# Altium PCB GameBoard_V1I1_Phase1.PcbDoc (part 12 of 18)
Units mm, origin at the board's own origin, x right, y up, seen from the top; angles counter-clockwise.
Board outline 182 x 70.2 mm, 12 copper layers (L1, L2, L3, L4, L5 (PWR), L6 (PWR), L7 (PWR), L8 (PWR), L9, L10, L11, L12), stack 2.079 mm thick; 1542 components, 1068 nets, 5447 pads, 3805 vias.
Unrouted connection lines stored in the file: 2.
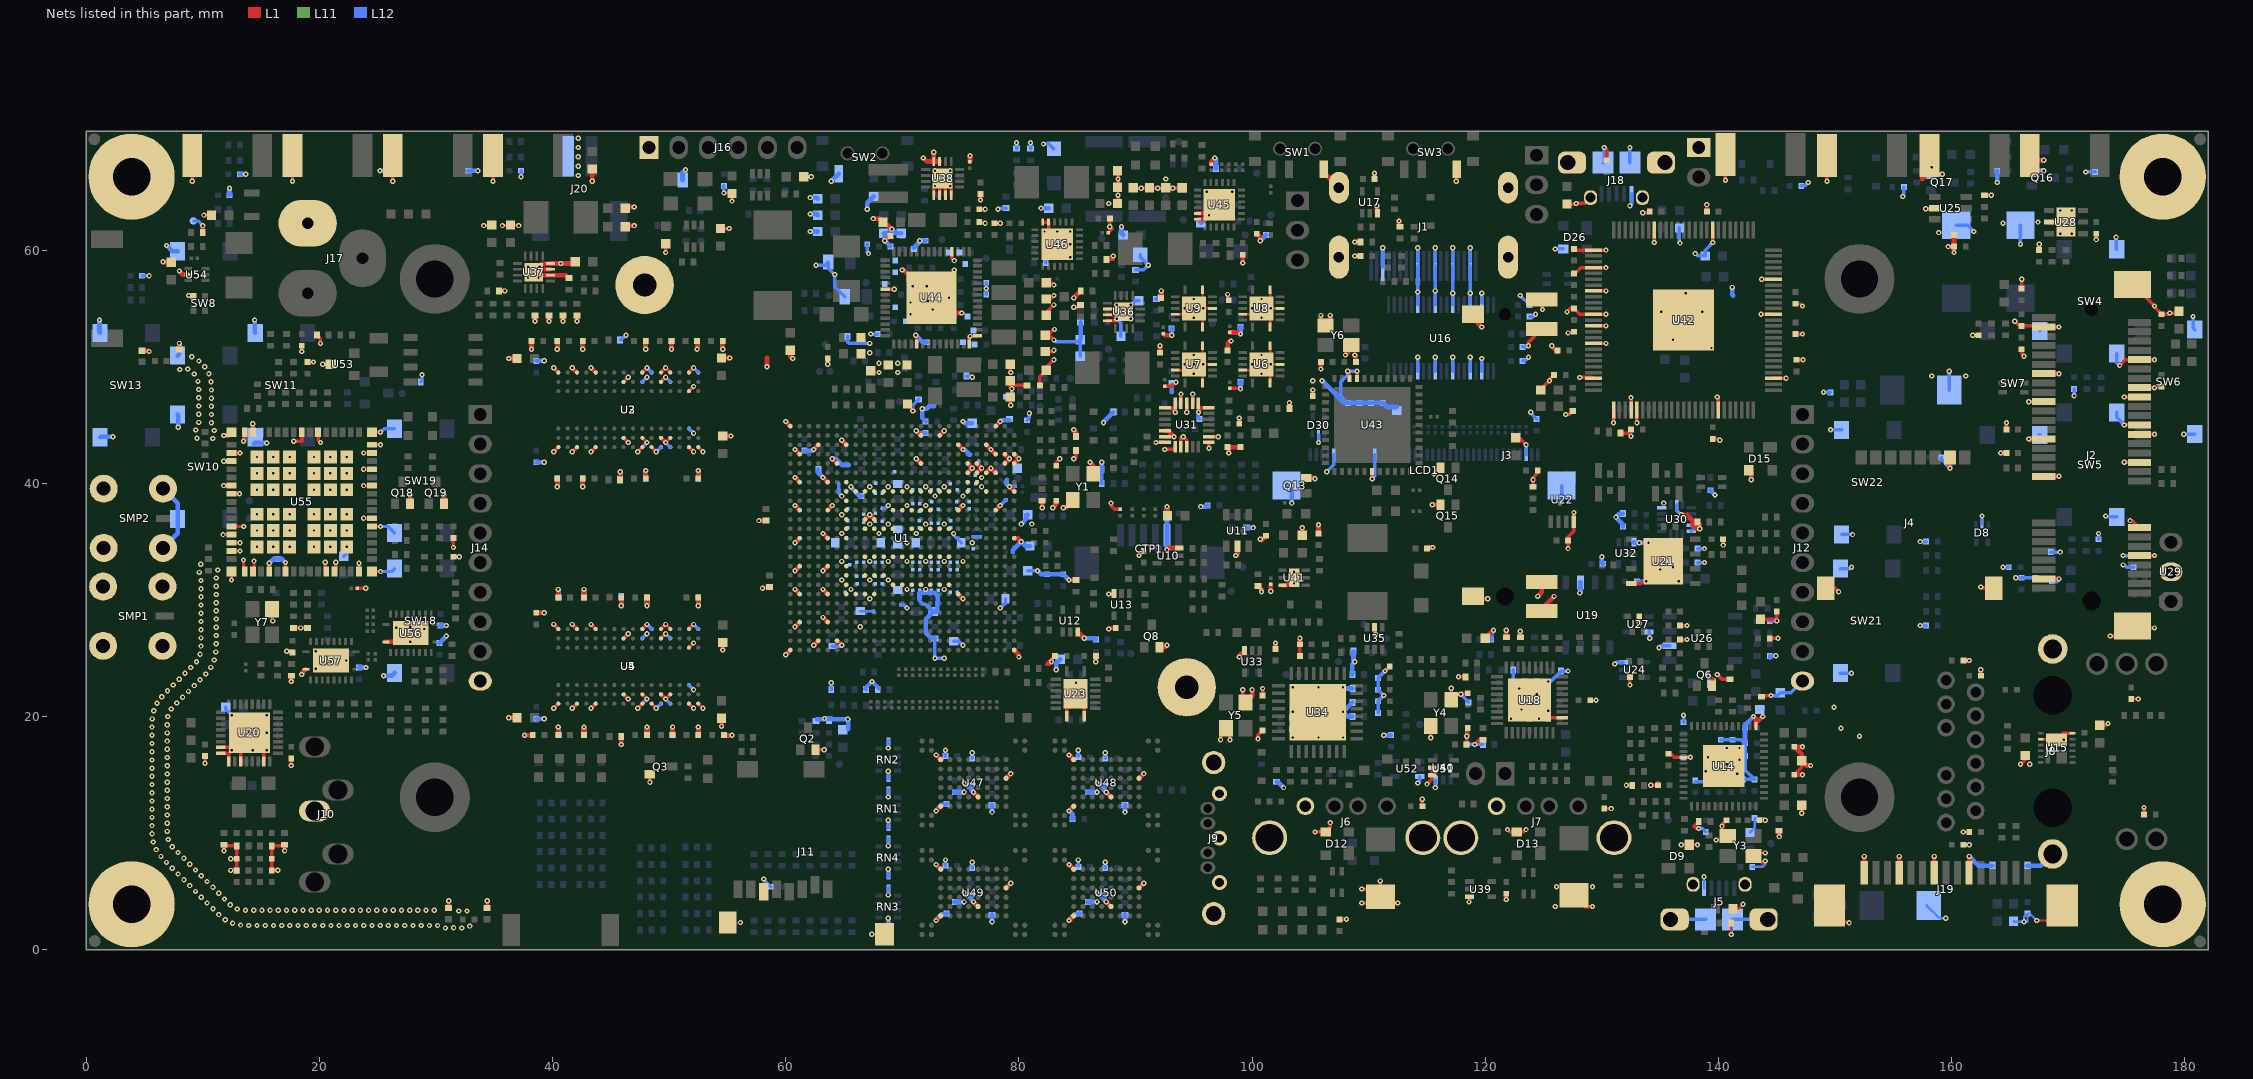
[diagram p22: the nets of this part, all layers, seen from the top]

## Via types
v1: diameter 0.45, hole 0.2, L1 to L12, 1937 vias
v2: diameter 0.45, hole 0.2, L1 to L12, tented both sides, 1004 vias
v3: diameter 0.27, hole 0.1, L1 to L2, 337 vias
v4: diameter 0.27, hole 0.1, L2 to L3, 335 vias
v5: diameter 0.27, hole 0.1, L10 to L11, 96 vias
v6: diameter 0.27, hole 0.1, L11 to L12, 94 vias
v7: diameter 0.27, hole 0.1, L3 to L5 (PWR), 2 vias

## Nets (pads, with @x,y where several pads share a name; then routed paths per layer and width w, separated by ;. In a path a pad name is that pad's centre, name@x,y a point inside that pad or via, vN(x,y) a via of type N, cw(c..) or ccw(c..) an arc to the next point about the centre after c; other vN are vias at no path point) (continued)
GND: C1.2 C2.2 C3.2 C4.2 C5.2 C6.2 C7.2 C8.2 C9.2 C11.2 C12.2 C13.2 C14.2 C15.2 C16.2 C17.2 C18.2 C19.2 C20.2 C21.2 C22.2 C23.2 C24.2 C25.2 C26.2 C27.2 C28.2 C29.2 C30.2 C31.2 C32.2 C33.2 C34.2 C35.2 C36.2 C37.2 C38.2 C39.2 C40.2 C41.2 C42.2 C43.2 C44.2 C45.2 C46.2 C47.2 C48.2 C49.2 C50.2 C51.2 C52.2 C53.2 C54.2 C55.2 C56.2 C57.2 C58.2 C59.2 C60.2 C61.2 C63.2 C64.2 C68.2 C69.2 C70.2 C71.2 C72.2 C73.2 C74.2 C75.2 C76.2 C77.2 C78.2 C79.2 C80.2 C81.2 C82.2 C83.2 C84.2 C85.2 C86.2 C87.2 C92.2 C93.2 C94.2 C95.2 C96.2 C97.2 C98.2 C99.2 C100.2 C101.2 C102.2 C103.2 C104.2 C105.2 C106.2 C107.2 C108.2 C109.2 C110.2 C111.2 C112.2 C113.2 C114.2 C115.2 C116.2 C117.2 C118.2 C119.2 C120.2 C121.2 C122.2 C123.2 C124.2 C125.2 C126.2 C127.2 C128.2 C129.2 C130.2 C131.2 C132.2 C133.2 C134.2 C135.2 C136.2 C137.2 C138.2 C139.2 C140.2 C141.2 C142.2 C143.2 C144.2 C145.2 C146.2 C147.2 C148.2 C149.2 C150.2 C151.2 C152.2 C153.2 C154.2 C155.2 C156.2 C157.2 C158.2 C159.2 C160.2 C161.2 C162.2 C163.2 C164.2 C165.2 C166.2 C167.2 C168.2 C169.2 C170.2 C171.2 C172.2 C173.2 C174.2 C175.2 C176.2 C177.2 C178.2 C179.2 C180.2 C181.2 C182.2 C183.2 C184.2 C185.2 C186.2 C187.2 C188.2 C189.2 C190.2 C191.2 C193.2 C194.2 C195.2 C196.2 C197.2 C198.2 C199.2 C200.2 C201.2 C202.2 C203.2 C204.2 C205.2 C206.2 C207.2 C208.2 C209.2 C210.2 C211.2 C212.2 C213.2 C214.2 C215.2 C216.2 C217.2 C218.2 C219.2 C220.2 C221.2 C222.2 C223.2 C224.2 C225.2 C226.2 C227.2 C228.2 C229.2 C230.2 C231.2 C232.2 C233.2 C234.2 C235.2 C236.2 C237.2 C238.2 C239.2 C240.2 C241.2 C242.2 C243.2 C244.2 C245.2 C246.2 C247.2 C248.2 C249.2 C250.2 C251.1 C252.2 C253.1 C254.2 C255.2 C256.2 C257.2 C258.2 C259.2 C260.1 C261.2 C262.1 C263.1 C264.1 C265.1 C266.2 C267.2 C268.2 C269.2 C270.2 C271.2 C274.2 C277.2 C278.2 C279.2 C280.2 C281.2 C283.2 C284.2 C285.2 C286.2 C287.1 C288.2 C289.2 C290.1 C297.2 C298.2 C299.2 C300.2 C301.2 C302.2 C303.1 C304.2 C305.1 C306.2 C307.2 C308.2 C309.2 C310.2 C311.2 C312.2 C313.2 C314.2 C315.2 C316.2 C317.2 C318.2 C319.2 C320.2 C321.2 C323.2 C324.2 C325.2 C326.2 C327.2 C328.2 C329.2 C330.1 C331.2 C332.1 C333.2 C334.2 C335.2 C336.2 C337.2 C338.2 C339.2 C340.2 C343.2 C344.2 C345.2 C346.2 C347.2 C350.2 C351.2 C352.2 C353.2 C354.2 C355.2 C356.1 C357.2 C358.1 C359.2 C360.2 C361.2 C362.2 C363.2 C364.2 C365.2 C366.2 C367.2 C368.2 C369.2 C370.2 C371.2 C372.2 C373.2 C374.2 C375.2 C376.2 C377.2 C378.2 C379.2 C380.2 C381.2 C382.2 C383.2 C384.2 C385.2 C386.2 C387.2 C388.2 C389.2 C390.2 C391.2 C392.2 C393.1 C394.1 C395.2 C396.2 C397.2 C398.2 C399.2 C400.2 C401.2 C402.2 C403.2 C404.2 C405.2 C406.2 C407.2 C408.2 C409.2 C410.2 C411.2 C412.2 C413.2 C414.2 C415.2 C416.2 C417.2 C418.2 C419.2 C420.2 C421.2 C422.2 C423.2 C424.2 C425.2 C427.2 C428.2 C429.2 C430.2 C431.2 C432.2 C433.2 C434.2 C435.2 C436.2 C437.2 C438.2 C439.2 C440.2 C441.2 C442.2 C443.2 C444.2 C445.2 C446.2 C447.2 C448.2 C449.2 C450.2 C451.2 C452.2 C453.2 C454.2 C455.2 C456.2 C457.2 C458.2 C459.2 C460.2 C461.2 C462.2 C463.2 C464.2 C465.2 C466.2 C467.2 C468.2 C469.2 C470.2 C471.2 C472.2 C473.2 C474.2 C475.2 C476.2 C477.2 C478.2 C479.2 C481.2 C482.2 C483.2 C484.2 C485.2 C486.2 C487.2 C488.2 C489.2 C490.2 C491.2 C493.2 C494.2 C495.2 C496.2 C497.2 C498.2 C499.2 C500.2 C501.2 C502.2 C503.1 C504.2 C505.2 C506.2 C507.2 C508.1 C509.2 C510.2 C511.2 C512.2 C513.1 C514.2 C515.2 C516.2 C517.2 C518.1 C519.1 C520.1 C521.1 C522.1 C523.2 C524.2 C525.1 C527.1 C528.1 C529.1 C530.2 C531.1 C532.2 CTP1.2 D8.2 D9.3 D10.2 D11.1 D12.3 D13.3 D15.3 D16.2 D17.2 D20.2 D21.2 D26.3 D30.2 D48.2 D52.2 J1.2 J1.5 J1.8 J1.11 J1.17 J1.MTG1 J1.MTG2 J1.MTG3 J1.MTG4 J2.4 J2.9 J2.15 J2.18 J2.21 J2.26 J2.27 J2.29 J2.34 J2.35 J2.37 J2.40 J2.43 J2.50 J2.53 J2.54 J3.1 J3.2 J3.3 J3.4 J3.5 J3.6 J4.C5 J4.G1 J4.G2 J5.5 J5.6 J5.7 J5.8 J5.9 J5.10 J5.11 J6.4 J6.5 J6.6 J7.4 J7.5 J7.6 J8.18 J8.19 J9.1 J9.4 J9.7 J9.8 J9.9 J10.5 J11.6 J11.11 J11.12 J12.10 J14.10 J16.1 J17.2 J18.5 J18.6 J18.7 J18.8 J18.9 J18.10 J18.11 J19.1 J19.4 J19.7 J19.10 J19.16 J19.17 J20.2 JP3.1 L20.2 L21.2 L22.2 L23.2 LCD1.3 LCD1.29 LCD1.36 LCD1.41 LCD1.42 MH1.1 MH2.1 MH3.1 MH4.1 MH5.1 MH6.1 Q2.2 Q3.2 Q6.2 Q8.2 Q13.2 Q14.2 Q15.2 Q16.2 Q17.2 Q18.2 Q19.2 R1.1 R2.1 R3.1 R4.1 R5.2 R6.1 R7.1 R11.1 R15.1 R16.1 R17.1 R19.1 R26.1 R28.1 R29.1 R30.1 R31.1 R33.1 R35.1 R36.1 R41.1 R73.1 R74.1 R75.1 R76.1 R79.2 R84.1 R85.1 R86.1 R95.1 R101.1 R103.1 R125.2 R138.1 R139.1 R140.1 R142.2 R145.1 R176.1 R185.2 R191.1 R192.1 R193.2 R194.1 R195.1 R201.2 R202.1 R203.1 R204.1 R205.1 R208.1 R215.2 R228.1 R245.1 R253.1 R262.2 R265.1 R267.2 R283.1 R290.1 R291.1 R292.1 R293.1 R297.1 R298.1 R300.1 R302.1 R303.1 R304.1 R308.1 R309.1 R311.1 R314.1 R315.1 R316.1 R324.1 R326.1 R328.1 R345.1 R351.1 R373.1 R438.1 R440.1 R458.1 R459.1 R470.1 R479.1 R483.1 R484.1 R485.1 R492.1 R496.1 R498.1 R499.1 R501.1 R503.1 R505.1 R506.1 R510.1 R511.1 R549.1 R550.1 R552.1 RN1.1 RN1.6 RN2.1 RN2.6 RN3.1 RN3.6 RN4.1 RN4.6 SMP1.2 SMP1.3 SMP1.4 SMP1.5 SMP2.2 SMP2.3 SMP2.4 SMP2.5 SW1.1 SW2.1 SW3.1 SW4.1 SW4.2 SW5.1 SW5.2 SW6.1 SW6.2 SW7.1 SW7.2 SW8.1 SW8.2 SW9.1 SW10.1 SW10.2 SW11.1 SW11.2 SW12.1 SW13.1 SW13.2 SW14.1 SW15.1 SW16.1 SW17.1 SW18.1 SW18.2 SW19.1 SW19.2 SW20.1 SW21.1 SW21.2 SW22.1 SW22.2 SW23.1 TP26.1 U1.A4 U1.A5 U1.A8 U1.A13 U1.A25 U1.AA7 U1.AA10 U1.AA13 U1.AA16 U1.AA19 U1.AA22 U1.AB3 U1.AB24 U1.AD4 U1.AD7 U1.AD10 U1.AD13 U1.AD16 U1.AD19 U1.AD22 U1.AE1 U1.AE25 U1.B4 U1.B5 U1.C1 U1.C4 U1.C6 U1.C10 U1.D3 U1.D6 U1.D8 U1.E5 U1.E6 U1.E7 U1.F5 U1.F6 U1.F7 U1.F8 U1.G3 U1.G10 U1.G19 U1.H8 U1.H12 U1.H15 U1.H18 U1.J2 U1.J8 U1.J12 U1.J15 U1.J18 U1.K8 U1.K10 U1.K12 U1.K15 U1.K18 U1.L2 U1.L5 U1.L8 U1.L10 U1.L12 U1.L15 U1.L18 U1.M8 U1.M10 U1.M12 U1.M15 U1.M18 U1.N8 U1.N10 U1.N15 U1.N18 U1.P8 U1.P10 U1.P12 U1.P15 U1.P18 U1.R8 U1.R12 U1.R15 U1.R17 U1.T8 U1.T11 U1.T12 U1.T15 U1.T17 U1.T19 U1.U8 U1.U11 U1.U12 U1.U15 U1.U17 U1.U19 U1.V8 U1.V19 U1.W3 U1.W7 U1.W8 U1.W9 U1.W10 U1.W11 U1.W12 U1.W13 U1.W15 U1.W16 U1.W17 U1.W18 U1.W19 U1.Y5 U1.Y24 U2.A9 U2.B1 U2.B3 U2.B9 U2.D1 U2.D8 U2.E1 U2.E2 U2.E8 U2.F9 U2.G1 U2.G8 U2.G9 U2.J2 U2.J8 U2.M1 U2.M9 U2.P1 U2.P9 U2.T1 U2.T9 U3.A9 U3.B1 U3.B3 U3.B9 U3.D1 U3.D8 U3.E1 U3.E2 U3.E8 U3.F9 U3.G1 U3.G8 U3.G9 U3.J2 U3.J8 U3.M1 U3.M9 U3.P1 U3.P9 U3.T1 U3.T9 U4.A9 U4.B1 U4.B3 U4.B9 U4.D1 U4.D8 U4.E1 U4.E2 U4.E8 U4.F9 U4.G1 U4.G8 U4.G9 U4.J2 U4.J8 U4.M1 U4.M9 U4.P1 U4.P9 U4.T1 U4.T9 U5.A9 U5.B1 U5.B3 U5.B9 U5.D1 U5.D8 U5.E1 U5.E2 U5.E8 U5.F9 U5.G1 U5.G8 U5.G9 U5.J2 U5.J8 U5.M1 U5.M9 U5.P1 U5.P9 U5.T1 U5.T9 U6.5 U6.8 U6.11 U6.14 U6.15 U7.5 U7.8 U7.11 U7.14 U7.15 U8.5 U8.8 U8.11 U8.14 U8.15 U9.5 U9.8 U9.11 U9.14 U9.15 U10.3 U11.2 U12.3 U13.3 U14.13 U14.29 U14.49 U15.2 U15.12 U15.13 U16.3 U16.5 U16.8 U16.11 U16.14 U16.25 U16.28 U16.31 U16.34 U16.36 U17.3 U18.11 U18.37 U19.6 U20.1 U20.3 U20.7 U20.31 U20.32 U20.33 U21.4 U21.9 U22.4 U23.8 U23.9 U23.17 U24.3 U25.2 U26.2 U27.3 U28.2 U28.7 U29.2 U30.5 U30.7 U30.12 U30.13 U31.1 U31.5 U31.6 U31.7 U31.8 U31.9 U31.10 U31.13 U31.14 U31.19 U31.20 U31.21 U31.22 U31.23 U31.24 U32.3 U33.3 U34.33 U35.2 U36.10 U36.11 U36.12 U36.17 U37.10 U37.11 U37.12 U37.17 U38.5 U38.6 U38.7 U38.8 U38.15 U38.16 U38.17 U39.3 U40.2 U40.3 U41.3 U41.7 U42.1 U42.4 U42.5 U42.19 U42.28 U42.39 U42.45 U42.58 U42.68 U42.76 U42.79 U42.83 U42.87 U42.89 U42.92 U42.98 U42.101 U43.6 U43.30 U43.31 U44.5 U44.14 U44.15 U44.32 U44.48 U44.57 U45.17 U45.18 U45.25 U46.17 U46.18 U46.25 U47.C5 U47.F7 U47.K3 U47.K8 U48.C5 U48.F7 U48.K3 U48.K8 U49.C5 U49.F7 U49.K3 U49.K8 U50.C5 U50.F7 U50.K3 U50.K8 U51.3 U52.3 U53.3 U54.2 U55.1 U55.7 U55.9 U55.15 U55.16 U55.17 U55.19 U55.20 U55.23 U55.24 U55.28 U55.29 U55.30 U55.31 U55.33 U55.34 U55.35 U55.37 U55.39 U55.44 U55.45 U55.48 U55.49 U55.54 U55.55 U55.59 U55.61 U55.63 U55.64 U55.G1 U55.G2 U55.G3 U55.G4 U55.G5 U55.G6 U55.G7 U55.G8 U55.G9 U55.G10 U55.G11 U55.G12 U55.G13 U55.G14 U55.G15 U55.G16 U55.G17 U55.G18 U55.G19 U55.G20 U55.G21 U55.G22 U55.G23 U55.G24 U55.G25 U55.G26 U55.G27 U55.G28 U55.G29 U55.G30 U55.G31 U55.G32 U55.G33 U55.G34 U55.G35 U55.G36 U56.11 U56.21 U57.11 U57.21 Y1.2 Y1.4 Y3.2 Y3.4 Y4.2 Y4.4 Y5.2 Y5.4 Y6.2 Y6.4 Y7.2 | length 919.7
  L1 w0.093: J11.11@55.025,2.325 v2(56.115,2.325) ; J11.6@58.115,4.975 v2(58.115,6.065) ; v2(67.385,1.325) J11.12@68.475,1.325
  L1 w0.2: U7.5@93.4,49.7 94.5,49.7 v2(95,50.2) ; U9.5@93.4,54.5 94.5,54.5 v2(95,55) ; U7.8@95.75,48.6 95.75,49.45 v2(95,50.2) ; U7.14@95.75,51.8 95.75,50.95 v2(95,50.2) ; U9.8@95.75,53.4 95.75,54.25 v2(95,55) ; U9.14@95.75,56.6 95.75,55.75 v2(95,55) ; U7.11@96.6,50.2 v2(95.8,50.2) v2(95,50.2) ; U9.11@96.6,55 v2(95.8,55) v2(95,55) ; U6.5@99.2,49.7 100.3,49.7 v2(100.8,50.2) ; U8.5@99.2,54.5 100.3,54.5 v2(100.8,55) ; U6.8@101.55,48.6 101.55,49.45 v2(100.8,50.2) ; U6.14@101.55,51.8 101.55,50.95 v2(100.8,50.2) ; U8.8@101.55,53.4 101.55,54.25 v2(100.8,55) ; U8.14@101.55,56.6 101.55,55.75 v2(100.8,55) ; U6.11@102.4,50.2 v2(101.6,50.2) v2(100.8,50.2) ; U8.11@102.4,55 v2(101.6,55) v2(100.8,55) ; C255.2@129,21.4 v1(129.5,21.4) ; D9.3@137.5,9 v1(138.2,9) ; v1(141.1,1.3) R176.1@141.1,2.3 ; D10.2@141.25,3.5 141.7,3.5 v1(142.1,3.9) ; v1(144,7.6) 144,7.45 143.85,7.3 143,8.15 143.15,8.3 v1(144,8.3) ; C372.2@146.6,55.4 147,55.4 v1(147.2,55.2) ; J19.16@149.51,3.8 151.01,2.3 v1(151.2,2.3) ; C265.1@161,9 v1(161.5,9) ; v1(161,10.1) C264.1@161.5,10.1 ; v1(167.3,2.5) 168.19,2.5 J19.17@169.49,3.8 ; U15.2@167.64,18.05 168.949,18.05 U15.13@169,17.999
  L1 w0.28: v1(11.75,35.6) U55.29@12.475,35.6 ; v1(12.475,31.7) U55.33@12.475,32.425 ; U55.31@12.475,34.2 v1(13.2,34.2) ; U55.30@12.475,34.9 v1(13.2,34.9) ; U55.28@12.8,36.3 v1(13.525,36.3) ; U55.34@13.5,32.7 v1(13.5,33.425) ; U55.35@14.4,32.6 v1(14.4,33.325) ; U55.37@15.7,32.425 v1(15.7,33.15) ; Y7.2@15.95,29.2 15.95,28.25 v1(16,28.2) ; U55.39@17.1,32.425 v1(17.1,33.2) ; v1(17.8,43.6) 18.5,43.6 U55.9@18.5,44.375 ; U55.7@19.9,44.375 19.9,43.7 v1(20.1,43.5) ; U55.44@20.5,32.5 v1(20.5,33.225) ; U55.45@21.4,32.5 v1(21.4,33.225) ; C522.1@23.265,31 v1(23.99,31) ; U55.48@23.4,32.425 v1(23.4,33.15) ; v1(23.8,37) U55.55@24.525,37 ; v1(23.8,39.8) U55.59@24.525,39.8 ; v1(23.8,41.2) U55.61@24.525,41.2 ; v1(23.8,42.6) U55.63@24.525,42.6 ; U55.49@24.525,32.425 v1(25.25,32.425) ; U55.54@24.525,36.3 v1(25.25,36.3) ; U55.64@24.525,43.3 v1(25.25,43.3) ; U55.1@24.525,44.375 v1(25.25,44.375) ; v1(34.1,62.1) 34.75,62.1 C344.2@34.8,62.15 ; v1(35.7,62.1) 36.35,62.1 C343.2@36.4,62.15 37.05,62.15 v1(37.1,62.1) ; U23.8@84.1,20 U23.17@84.1,20.8 ; U23.9@85.6,20 U23.17@85.6,21 ; 93.175,42.9 U31.8@93.4,43.125
  L1 w0.3: v1(9.1,65.9) SW15.1@9.1,68.1 ; v1(10.2,16) C270.2@10.2,16.6 ; U20.32@11.54,16.85 U20.33@12.25,16.85 ; U20.31@11.54,17.35 U20.33@12.75,17.35 ; v2(11.823,8.485) R204.1@11.823,9.004 11.923,8.904 R202.1@12.923,8.904 C277.2@12.923,6.804 12.919,6.8 v2(12.4,6.8) ; U20.1@12.25,16.14 U20.33@12.25,16.85 ; v2(12.4,7.8) C279.2@12.919,7.8 ; U20.3@13.25,16.14 U20.33@13.25,17.85 ; U20.7@15.25,16.14 15.25,17.35 v1(14,18.6) U20.33@13.25,17.85 ; v2(16.442,6.804) C278.2@15.923,6.804 R203.1@15.923,8.904 16.923,8.904 R205.1@17.023,9.004 v2(17.023,8.485) ; v1(17.6,15.8) C274.2@17.6,16.4 ; v1(17.7,65.9) SW17.1@17.7,68.1 ; R549.1@17.8,27.6 v1(18.4,27.6) R550.1@19,27.6 ; v1(18.5,51.3) C404.2@18.5,51.8 ; C403.2@19,50.4 v1(19.5,50.4) ; R324.1@19.8,52.7 20.1,52.4 v1(20.1,52) ; v1(20.3,50.2) U53.3@21,50.2 ; v1(26.3,65.9) SW12.1@26.3,68.1 ; C412.2@31.5,33.7 v1(32,33.7) ; v1(31.5,34.5) C411.2@31.5,35.3 ; v1(34.9,65.9) SW9.1@34.9,68.1 ; v2(40.1,20.7) U4.T9@40.5,21.1 ; v2(40.1,27.9) U4.T1@40.5,27.5 ; v2(40.1,42.7) U2.T9@40.5,43.1 ; v2(40.1,49.9) U2.T1@40.5,49.5 ; v2(41.7,20.7) U4.P9@42.1,21.1 ; v2(41.7,27.9) U4.P1@42.1,27.5 ; v2(41.7,42.7) U2.P9@42.1,43.1 ; v2(41.7,49.9) U2.P1@42.1,49.5 ; v2(43.3,20.7) U4.M9@43.7,21.1 ; v2(43.3,27.9) U4.M1@43.7,27.5 ; v2(43.3,42.7) U2.M9@43.7,43.1 ; v2(43.3,49.9) U2.M1@43.7,49.5 ; U4.J8@46.1,21.9 v2(46.5,21.5) ; U4.J2@46.1,26.7 v2(46.5,27.1) ; U2.J8@46.1,43.9 v2(46.5,43.5) ; U2.J2@46.1,48.7 v2(46.5,49.1) ; v2(47.3,20.7) U4.G9@47.7,21.1 ; v2(47.3,42.7) U2.G9@47.7,43.1 ; U4.G8@47.7,21.9 v2(48.1,21.5) ; U4.G1@47.7,27.5 v2(48.1,27.9) ; U2.G8@47.7,43.9 v2@48.1,43.5 ; U2.G1@47.7,49.5 v2(48.1,49.9) ; v1(48.35,14.35) Q3.2@48.35,15.05 ; U4.F9@48.5,21.1 v2(48.9,20.7) ; U2.F9@48.5,43.1 v2(48.9,42.7) ; U4.E8@49.3,21.9 v2(49.7,21.5) U4.D8@50.1,21.9 ; U4.E2@49.3,26.7 v2(49.7,27.1) ; U4.E1@49.3,27.5 v2(49.7,27.9) U4.D1@50.1,27.5 ; U2.E8@49.3,43.9 v2(49.7,43.5) U2.D8@50.1,43.9 ; U2.E2@49.3,48.7 v2(49.7,49.1) ; U2.E1@49.3,49.5 v2(49.7,49.9) U2.D1@50.1,49.5 ; v1(49.7,59.8) D21.2@49.7,60.55 ; U4.B9@51.7,21.1 v2(52.1,20.7) ; U4.B3@51.7,25.9 v2(52.1,26.3) ; U4.B1@51.7,27.5 v2(52.1,27.9) ; U2.B9@51.7,43.1 v2(52.1,42.7) ; U2.B3@51.7,47.9 v2(52.1,48.3) ; U2.B1@51.7,49.5 v2(52.1,49.9) ; U4.A9@52.5,21.1 v2(52.9,20.7) ; U2.A9@52.5,43.1 v2(52.9,42.7) ; D20.2@54.4,61.85 v1(55.15,61.85) ; v1(54.7,64.9) 55.35,64.9 D16.2@55.4,64.85 v1(55.4,64.2) ; v1(58,31) 58.1,31.1 R5.2@58.6,31.1 ; Q2.2@62.55,17.15 v1(63.3,17.15) ; U44.48@68.55,56.65 v2(69.3,56.65) ; C442.2@70.45,46.8 71.05,46.2 v1(70.9,46.2) ; v2(71.15,52.7) 71.25,52.6 U44.5@71.25,51.95 ; U38.5@72.7,64.7 72.7,65.4 U38.17@73.2,65.9 ; U38.6@73.2,64.7 U38.17@73.2,65.9 ; U38.7@73.7,64.7 U38.17@73.7,65.9 ; v1(74.1,65.5) U38.17@73.7,65.9 ; U38.8@74.2,64.7 U38.17@74.2,65.4 ; U44.32@74.25,59.85 74.25,59.3 v2(74.45,59.1) ; U44.14@75.75,51.95 75.75,52.55 75.85,52.65 U44.15@76.45,52.65 ; C425.2@76.6,62.4 77,62.4 v1(77.1,62.3) ; C429.2@77.9,62.3 v1(78.4,62.3) ; C447.2@79.25,47.4 79.25,46.75 v1(79.3,46.7) ; C449.2@79.25,50.2 79.25,49.55 v1(79.3,49.5) ; v1(79.4,48.1) 79.3,48.1 79.25,48.15 C448.2@79.25,48.8 79.65,48.4 R26.1@80.7,48.4 ; C74.2@81.8,48.4 81.8,49.15 C452.2@82.35,49.7 82.35,49.95 v2(83,50.6) ; U46.18@82.05,62.4 U46.17@82.55,62.4 82.55,61.25 v1(83.3,60.5) ; C451.2@82.25,51.3 82.9,51.3 v2(83,51.4) ; C450.2@82.25,52.7 C450.2@82.5,52.7 ; C454.2@82.35,54.4 82.35,54.65 v2(83,55.3) ; C453.2@82.35,55.8 82.7,55.8 v2(83,56.1) ; C455.2@82.35,57.2 82.8,57.2 v2(83,57) ; 82.6,24.5 82.4,24.5 C285.2@83.1,25.2 ; v2(83,52.3) 82.6,52.7 C450.2@82.5,52.7 ; v1(83.05,53.2) 83,53.2 C450.2@82.5,52.7 ; C97.2@83.2,41.5 83.2,41.8 v1(83.5,42.1) ; v1(84.3,31.7) R101.1@84.9,31.7 ; v1(84.7,42.1) 84.9,42.3 R17.1@84.9,42.8 ; v1(84.7,44.6) 84.9,44.4 R16.1@84.9,44 ; v1(84.7,55.1) 85.1,55.1 R304.1@85.3,55.3 ; R496.1@87.5,59.2 88.1,59.2 v1(88.1,59.5) ; U36.12@87.59,53.95 U36.17@88.25,53.95 ; U36.11@87.59,54.45 U36.17@88.75,54.45 ; U36.10@87.59,54.95 88.75,54.95 U36.17@89,54.7 U36.17@88.75,54.45 ; R492.1@87.665,61.5 88,61.835 v1@87.967,61.867 ; v1(87.7,27.5) 87.8,27.6 C102.2@88.3,27.6 ; v1(87.7,30.5) 88.1,30.5 U13.3@88.15,30.55 ; v1(87.8,62) C496.2@87.8,62.7 ; v1(87.9,38.3) 87.9,38.1 88.235,37.765 R373.1@88.7,37.765 ; v1(88.4,54.1) U36.17@88.75,54.45 ; C493.2@88.45,64 88.5,64.05 v1(88.5,64.7) ; C494.2@88.45,65.4 88.5,65.45 v1(88.5,66.1) 88.5,66.85 C495.2@88.45,66.8 ; C486.2@89.8,65.35 89.85,65.3 v1(90.5,65.3) 91.15,65.3 C485.2@91.2,65.35 91.25,65.3 v1(91.9,65.3) 92.55,65.3 C484.2@92.6,65.35 92.65,65.3 v1(93.2,65.3) 93.95,65.3 C483.2@94,65.35 ; v1(91.75,43.5) U31.7@92.525,43.5 ; v1(92.5,42.9) 93.175,42.9 ; R31.1@92.5,48.335 93.135,48.335 v2(93.475,48.675) ; U31.6@92.525,44 v1(93.3,44) ; U31.1@92.525,46.5 93.029,46.5 v1@93.4,46.129 ; v1(93.4,46.1) v1@93.4,46.129 ; U31.24@93.4,46.875 v1@93.4,46.129 ; U31.9@93.9,43.125 v1@93.9,43.9 ; U31.23@93.9,46.875 v1(93.9,47.65) ; v1(94.1,44) 94.4,43.7 U31.10@94.4,43.125 ; v1(94.4,46.1) U31.22@94.4,46.875 ; U31.21@94.9,46.875 v1(94.9,47.65) ; v1(95.4,46.1) v1@95.4,46.199 ; U31.20@95.4,46.875 v1@95.4,46.199 ; U31.13@96.275,43.5 96.3,43.475 v1(96.3,43) ; U31.19@96.275,46.5 95.701,46.5 v1@95.4,46.199 ; U31.14@96.325,44 v1(97.1,44) ; v1(97.3,18) Y5.2@97.3,18.6 ; v1(97.9,56.2) 97.9,55.8 C82.2@98,55.7 ; v1(98.1,18) Y5.2@98.1,18.6 ; R30.1@98.1,48.135 98.965,48.135 v2(99,48.1) ; Y5.4@99.2,21.7 v1(99.2,22.3) ; v1(100.5,18.1) 100.5,18.4 C332.1@100.9,18.8 ; C330.1@100.9,21.8 v1(100.9,22.4) ; C328.2@104.1,25.2 C329.2@104.1,26.2 ; v1(105.4,10.1) D12.3@106.3,10.1 106.7,10.5 v1(106.7,10.9) ; C395.2@107.5,2.6 v1(108.1,2.6) ; v2(108.2,49.6) 108.35,49.45 U43.31@108.35,49 ; U43.30@109,49 v2(109,49.6) ; v1(109.4,4) 110.45,4 C243.2@111,4.55 ; v1(109.4,5.2) 110.35,5.2 C243.2@111,4.55 ; v1(110.3,40.4) U43.6@110.3,41 ; U35.2@110.5,27.65 110.5,27.1 v1(110.6,27) ; v1(111,5.9) 111,4.85 111.15,4.7 C243.2@111,4.55 ; v1(111.4,23.9) C331.2@111.8,24.3 ; v1(112.5,4) 111.55,4 C243.2@111,4.55 ; C245.2@114.6,12.3 v1(114.6,12.9) ; v1(115,14.2) 115.45,14.65 U40.3@115.45,14.95 U40.2@115.45,15.6 ; v1(115.325,18.175) Y4.2@115.325,19.175 ; Y4.4@117.075,21.425 v1(117.075,22.425) ; v1(117.5,65.9) 117.55,65.95 SW3.1@117.55,66.95 ; v1(117.7,23.4) R194.1@118.3,23.4 ; v1(117.9,21.9) 118,22 C249.2@118.5,22 ; C519.1@118.4,17.6 v1(118.4,18.3) 118.5,18.4 C247.2@118.5,19 ; v1(118.6,4.1) 118.65,4.15 U39.3@118.65,4.55 ; v1(119.1,17.6) 119.5,18 R193.2@119.8,18 ; v1(121.8,4.3) C358.1@121.8,4.8 ; v1(121.9,10.3) 122.1,10.1 D13.3@122.7,10.1 123.3,10.1 v1(123.5,10.3) ; C367.2@122.6,43.9 122.9,43.9 v1(123.5,43.3) ; R192.1@123,26.8 v1(123,27.3) ; v1(123.7,51.8) 123.7,52.1 J3.4@124.85,53.25 ; U18.37@123.8,21.4 125.3,19.9 U18.11@126.6,19.9 ; R215.2@124.1,39.7 v1(124.1,40.3) 124.1,40.5 124.5,40.9 C366.2@124.5,41.1 ; C384.2@124.75,48 124.75,48.05 v1(125.5,48.8) 125.5,48.9 C383.2@125.9,49.3 ; J3.5@124.85,55.75 124.9,55.7 v1(124.9,54.9) ; v1(125.7,51.8) 125.7,51.7 126.2,51.2 C381.2@126.2,51.375 ; v1(126.9,45.9) 127.2,45.9 R351.1@127.5,46.2 ; v1(127,54.7) 127.3,55 C378.2@127.6,55 128.1,54.5 U42.87@129.275,54.5 v2(130.35,54.5) ; C359.2@127,63.95 127.75,63.95 v1(127.8,64) 128.525,64 J18.6@129.025,64.5 ; v1(127.1,34.4) C287.1@127.1,35.1 127.1,35.4 127.575,35.875 U22.4@127.575,36.7 127.6,36.725 v1(127.6,37.5) ; v1(127.1,52.9) 127.5,52.9 C380.2@127.6,53 ; C244.2@127.6,4.65 128.55,3.7 v1(129.2,3.7) ; C379.2@127.6,58 127.7,58 128.2,58.5 U42.79@129.275,58.5 v2(130.35,58.5) ; C376.2@127.6,60.1 127.7,60 U42.76@129.275,60 v2(130.35,60) ; v2(128.1,49.075) U42.98@129.175,49.075 ; U42.92@129.275,52 v2(130.35,52) ; U42.89@129.275,53.5 v2(130.35,53.5) ; U42.83@129.275,56.5 v2(130.35,56.5) ; C246.2@130.2,12.1 v1(130.8,12.1) ; v1(130.2,68.8) 130.4,68.6 C360.2@130.4,67.7 ; v2(131,45.2) U42.1@131,46.275 ; R345.1@131.6,44.3 132.225,44.3 v2(132.5,44.025) ; v1(132.1,14.1) R139.1@132.6,14.1 ; v1(132.4,22.7) C301.2@132.4,23.4 ; U21.4@132.5,31.4 133.345,31.4 U21.9@135.25,33.305 ; U42.4@132.5,46.275 v2(132.5,47.35) ; v2(133,45.2) U42.5@133,46.275 ; v1(133.2,28) 133.2,28.5 C308.2@133.3,28.6 ; v1(133.5,63.2) 134,63.2 C368.2@134.1,63.3 ; v1(134.2,14.1) C209.2@134.6,14.1 ; v2(134.5,60.65) U42.68@134.5,61.725 ; C209.2@134.8,14.1 C209.2@134.6,14.1 ; C209.2@134.8,14.3 C209.2@134.6,14.1 ; C200.2@135.9,16.8 136.21,16.49 U14.29@137.01,16.49 ; C305.1@136.7,26.6 v1(137.3,26.6) ; C304.2@136.7,27.8 v1(137.3,27.8) ; U14.29@137.1,16.5 v1(137.6,16.5) ; v1(138.3,10.4) 138.1,10.4 137.9,10.6 R138.1@138.3,11 ; C373.2@139,63.3 v1(139,63.9) ; v1(139.1,23.6) 139.45,23.25 Q6.2@139.45,22.65 ; C375.2@139.5,43.8 140,43.8 v1(140.1,43.7) ; v2(139.5,60.65) U42.58@139.5,61.725 ; v1(139.9,23.6) 140.3,23.2 R253.1@141,23.2 ; v1(139.9,47.4) 140,47.3 U42.19@140,46.275 ; v1(140.4,34.7) C286.2@140.4,35.2 ; v1(140.6,66) SW23.1@140.6,68.2 ; C189.2@140.7,11.1 140.3,10.7 v1(140.3,10.6) 140.3,10.35 Y3.4@140.8,9.85 ; C188.2@143.4,11.2 C188.2@143.5,11.1 v1(144,11.1) ; C289.2@143.6,28.35 144.85,28.35 v1(145,28.2) C290.1@145,29 ; v2(143.65,54.5) U42.39@144.725,54.5 ; R140.1@143.7,21.7 143.9,21.7 144,21.8 v1(144.5,21.8) ; v2(143.7,57.5) U42.45@144.725,57.5 ; C307.2@144.4,26.7 v1(145.1,26.7) ; U42.28@144.725,49 v2(145.8,49) ; C203.2@146.5,15 147.15,15.65 C201.2@147.15,16.2 ; C369.2@146.6,52.8 v2(147.2,52.8) ; C374.2@146.65,50.6 C374.2@146.7,50.6 v2(147.25,50.6) ; J4.G2@149.2,31 150,31 v1(150.3,30.7) ; v1(149.3,65.9) SW20.1@149.3,68.1 ; v2(157.775,63.55) 158.5,63.55 U25.2@158.55,63.6 ; v2(159.7,60.3) C303.1@160.2,60.3 v2(160.2,59.8) ; v2(161.8,52.7) C396.2@162.3,52.7 ; v1(162.5,31.1) 162.6,31 J4.G1@163.6,31 ; R245.1@162.8,64.7 162.85,64.75 162.9,64.7 v2(163.4,64.7) ; C227.2@164.7,44.6 v1(164.7,45.2) ; v1(165.4,53.9) 165.8,53.5 C233.2@166,53.5 167.8,53.5 J2.50@167.9,53.4 v1(169.2,53.4) ; v1(165.9,15.9) 166.3,16.3 C190.2@166.3,16.65 ; C228.2@166,51.5 166,51.1 v1(166.2,50.9) ; C230.2@166,56.7 v1(166,57.5) ; v1(166.6,47) J2.34@167.9,47 ; C399.2@167.5,59.975 v2(167.5,60.5) ; U15.13@169,17.999 169.552,18.55 U15.12@170.36,18.55 ; v2(172.4,60.9) C312.2@172.4,61.4 ; C191.2@172.7,19.25 173.25,19.25 v1(173.4,19.4) ; v1(173.6,26.9) 174.65,26.9 J2.53@175.5,27.75 175.65,27.6 v1(177.4,27.6) ; v1(174.4,50.1) 174.9,50.6 J2.43@176.1,50.6 v1(177.4,50.6) ; v1(174.8,41.8) J2.21@176.1,41.8 ; v1(174.8,45) J2.29@176.1,45 ; v1(174.8,47.4) J2.35@176.1,47.4 ; v1(175.3,36.8) 175.5,36.8 J2.15@176.1,36.2 ; C267.2@175.4,21.5 v1(176,21.5) ; J2.54@175.5,57.05 175.55,57.05 v1(177.4,55.2) 177.4,55.1 C237.2@178,54.5 178.6,54.5 v1(178.7,54.6) 179.35,54.6 C236.2@179.5,54.75 ; J2.9@176.1,33.8 v1(177.4,33.8) ; J2.27@176.1,44.2 v1(177.4,44.2) ; J2.37@176.1,48.2 v1(177.4,48.2) 177.5,48.3 C232.2@178,48.3 ; C266.2@176.5,11.6 v1(176.5,12.2) ; U20.33@12.25,16.85 v1(12.5,17.1) U20.33@12.75,17.35 ; U20.33@12.75,17.35 U20.33@13.25,17.85 ; U38.17@73.2,65.9 U38.17@73.45,66.15 U38.17@73.7,65.9 ; R138.1@138.3,11 138.3,11.1 R138.1@138.3,11